# Altium PCB GE21_M1_pku_f100.PcbDoc (part 15 of 19)
Units mm, origin at the board's own origin, x right, y up, seen from the top; angles counter-clockwise.
Board outline 423.9 x 668.59 mm, 8 copper layers (Top Layer, Signal 1, DGNG1, POWER, AGND, DGND2, Signal 2, Bottom Layer), stack 1.03 mm thick; 171 components, 336 nets, 2040 pads, 4872 vias.
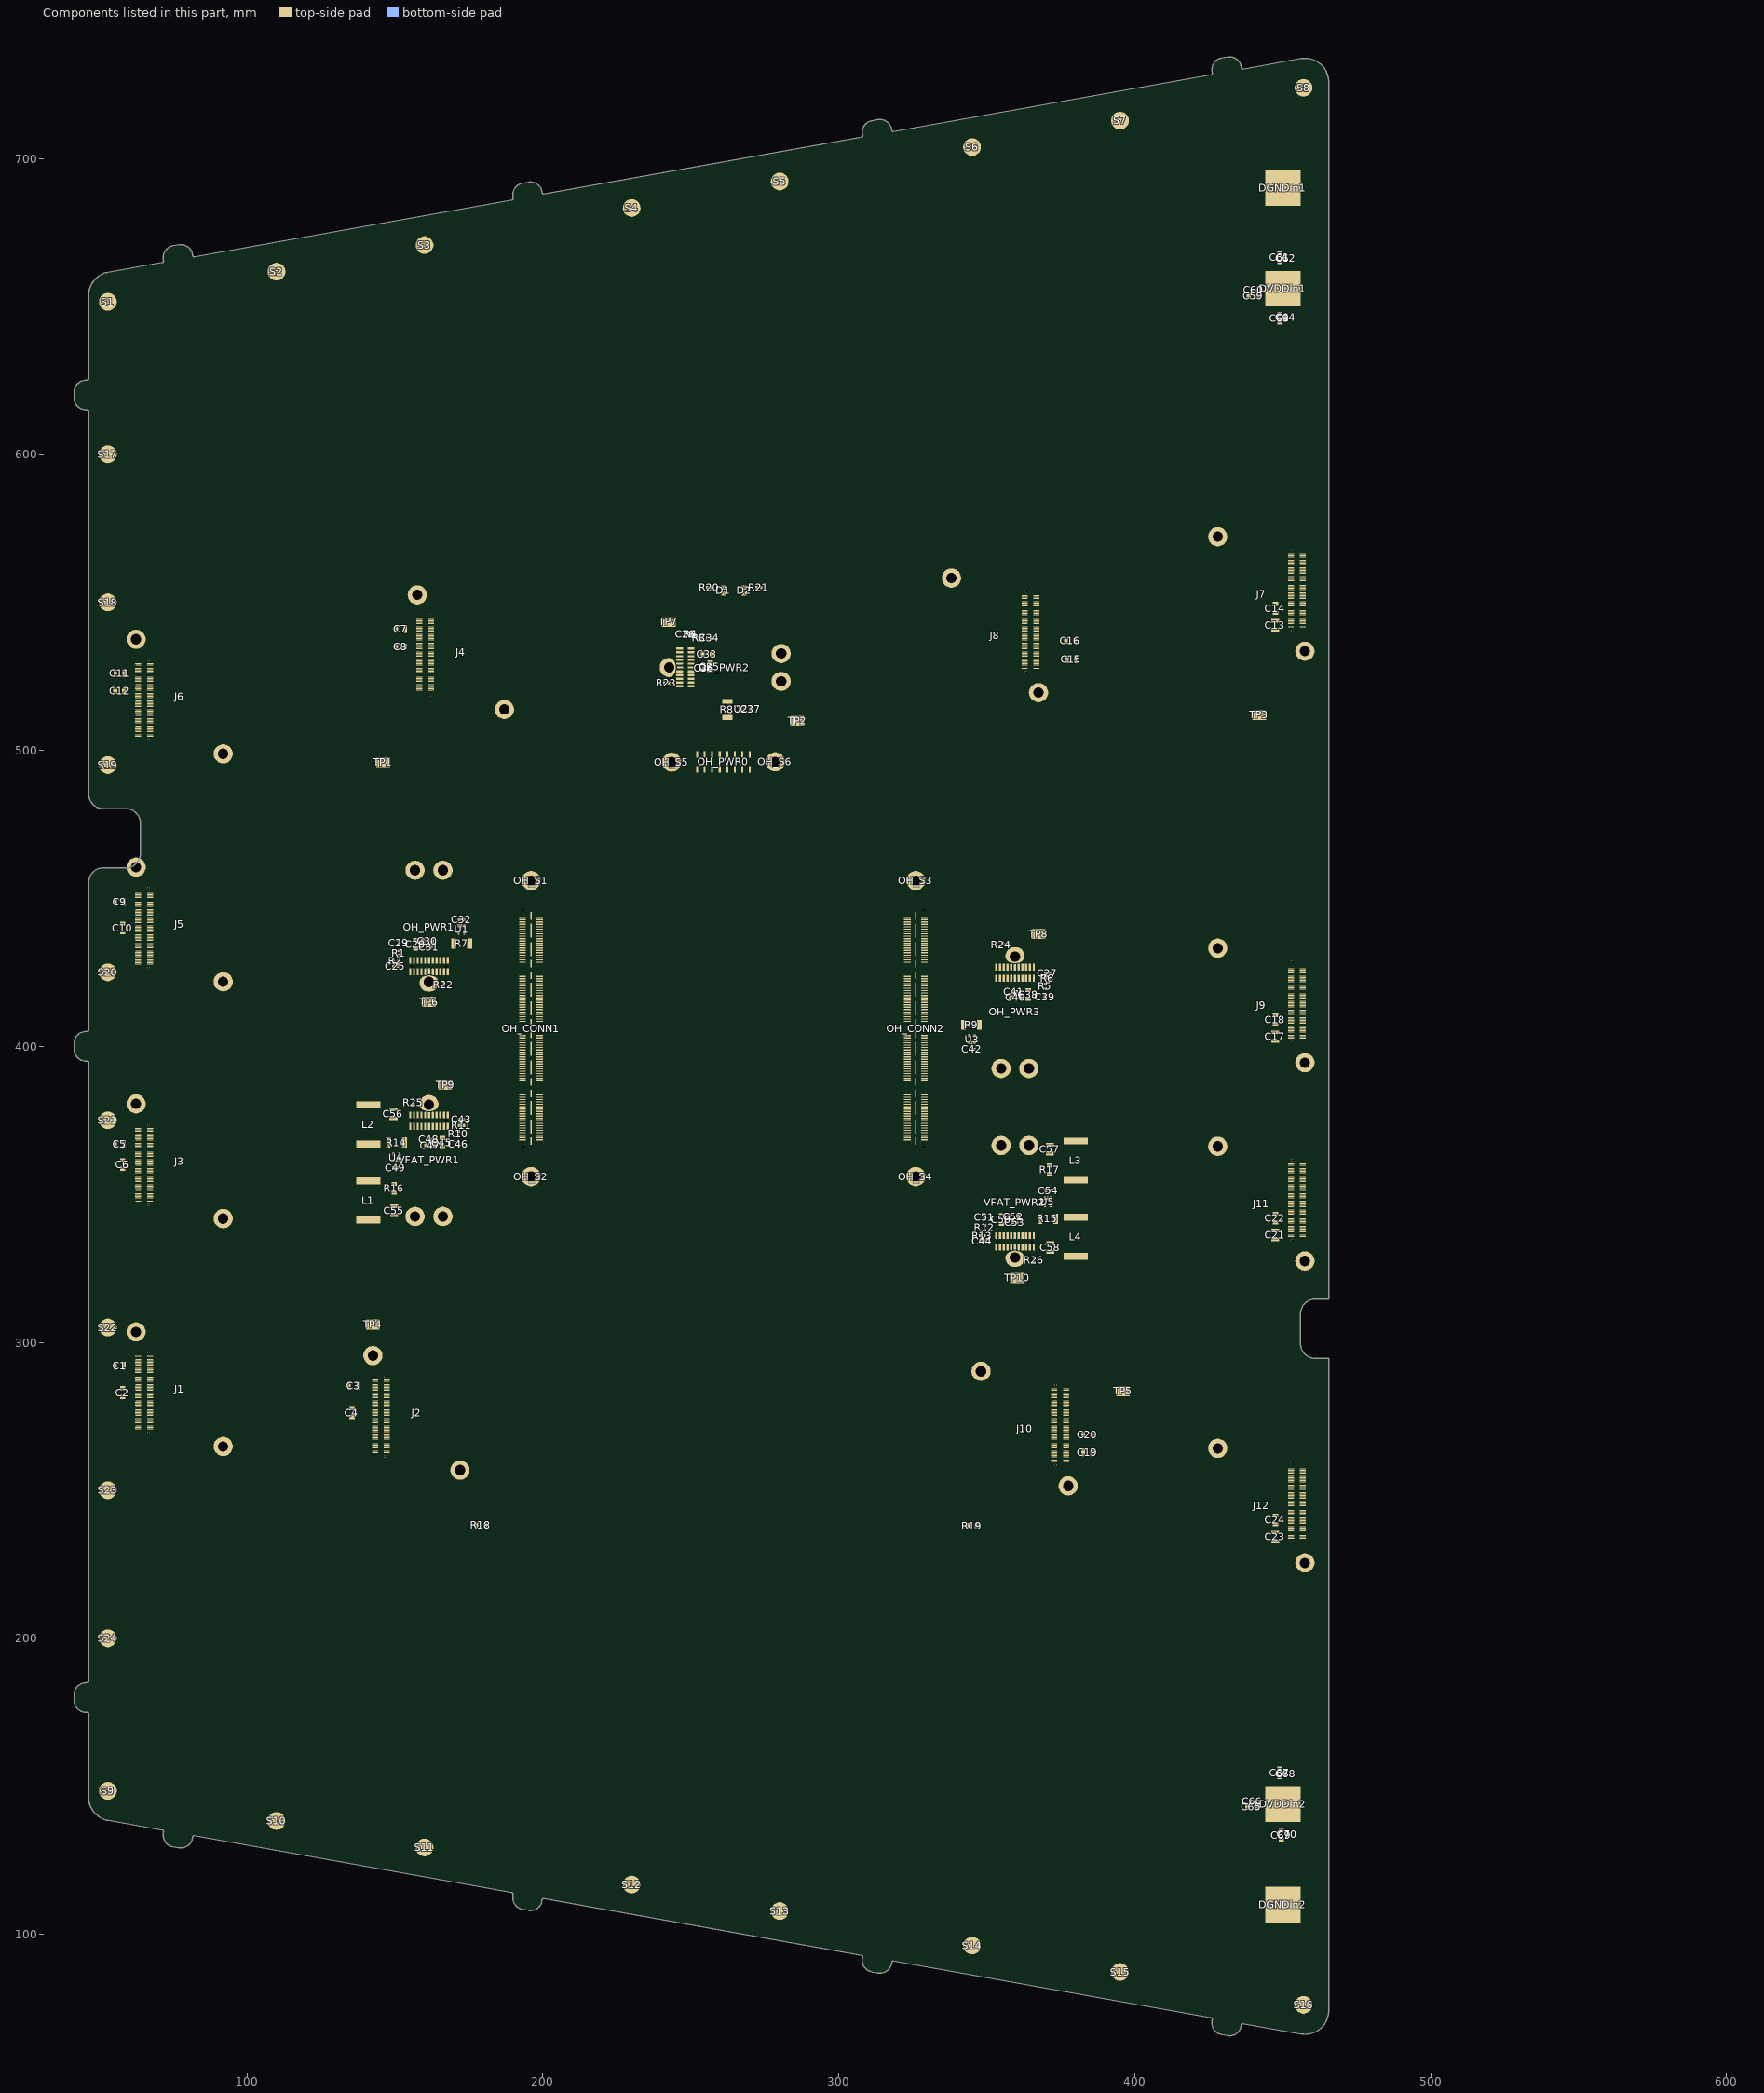
[diagram p21: the components of this part, seen from the top]

## Via types
v1: diameter 0.508, hole 0.203, Top Layer to Bottom Layer, tented both sides, 1688 vias
v2: diameter 0.402/0.402/0.402/0.201 (per signal layer), hole 0.201, Top Layer to Bottom Layer, tented both sides, 1040 vias
v3: diameter 0.507, hole 0.202, Top Layer to Bottom Layer, tented both sides, 780 vias
v4: diameter 0.4, hole 0, Top Layer to Bottom Layer, tented both sides, 438 vias
v5: diameter 0.4, hole 0.2, Top Layer to Bottom Layer, tented both sides, 288 vias
v6: diameter 0.51, hole 0.204, Top Layer to Bottom Layer, tented both sides, 288 vias
v7: diameter 0.6/0.4/0.4/0.4 (per signal layer), hole 0.3, Top Layer to Bottom Layer, tented both sides, 254 vias
v8: diameter 0.402, hole 0.201, Top Layer to Bottom Layer, tented both sides, 96 vias

## Nets (pads, with @x,y where several pads share a name; then routed paths per layer and width w, separated by ;. In a path a pad name is that pad's centre, name@x,y a point inside that pad or via, vN(x,y) a via of type N, cw(c..) or ccw(c..) an arc to the next point about the centre after c; other vN are vias at no path point) (continued)
copper on no net: (continued)
  Top Layer w0.025: 252.973,165.422 254.827,165.422 ; 252.973,169.892 253.963,169.892 ; 252.973,174.845 255.182,174.845 ; 252.998,154.373 253.481,154.373 ; 252.998,154.398 253.455,154.398 ; 252.998,154.424 253.455,154.424 ; 252.998,156.811 253.455,156.811 ; 252.998,160.012 254.624,160.012 ; 252.998,162.856 254.827,162.856 ; 252.998,168.876 253.455,168.876 ; 253.023,154.297 253.557,154.297 ; 253.023,154.322 253.506,154.322 ; 253.023,154.347 253.481,154.347 ; 253.023,154.449 253.43,154.449 ; 253.023,154.474 253.43,154.474 ; 253.023,154.5 253.43,154.5 ; 253.023,154.525 253.43,154.525 ; 253.023,155.821 254.014,155.821 ; 253.023,159.961 254.649,159.961 ; 253.023,159.986 254.624,159.986 ; 253.023,162.831 254.852,162.831 ; 253.023,165.396 254.827,165.396 ; 253.023,169.867 254.014,169.867 ; 253.049,152.315 254.827,152.315 ; 253.049,154.246 254.446,154.246 ; 253.049,154.271 253.608,154.271 ; 253.049,154.551 253.455,154.551 ; 253.049,154.576 253.455,154.576 ; 253.049,156.837 253.506,156.837 ; 253.049,159.935 254.674,159.935 ; 253.049,162.806 254.852,162.806 ; 253.049,165.371 254.852,165.371 ; 253.049,168.851 253.506,168.851 ; 253.049,173.372 254.827,173.372 ; 253.074,150.868 255.233,150.868 ; 253.074,154.22 254.471,154.22 ; 253.074,154.601 253.455,154.601 ; 253.074,154.627 253.455,154.627 ; 253.074,159.91 254.674,159.91 ; 253.074,162.78 254.878,162.78 ; 253.074,174.82 255.233,174.82 ; 253.1,154.195 254.497,154.195 ; 253.1,154.652 253.481,154.652 ; 253.1,154.678 253.481,154.678 ; 253.1,155.846 254.065,155.846 ; 253.1,156.862 253.557,156.862 ; 253.1,159.885 254.7,159.885 ; 253.1,162.755 254.903,162.755 ; 253.1,165.346 254.878,165.346 ; 253.1,168.825 253.557,168.825 ; 253.1,169.841 254.039,169.841 ; 253.125,152.341 254.903,152.341 ; 253.125,154.17 254.547,154.17 ; 253.125,154.703 253.506,154.703 ; 253.125,159.859 254.725,159.859 ; 253.125,162.729 254.928,162.729 ; 253.125,165.32 254.903,165.32 ; 253.125,173.347 254.903,173.347 ; 253.15,154.144 254.573,154.144 ; 253.15,154.728 253.531,154.728 ; 253.15,155.871 254.116,155.871 ; 253.15,156.887 253.582,156.887 ; 253.15,159.834 254.751,159.834 ; 253.15,162.704 254.928,162.704 ; 253.15,168.8 253.582,168.8 ; 253.15,169.816 254.09,169.816 ; 253.176,150.893 255.309,150.893 ; 253.176,154.119 254.598,154.119 ; 253.176,154.754 253.557,154.754 ; 253.176,159.783 254.776,159.783 ; 253.176,159.808 254.751,159.808 ; 253.176,162.679 254.954,162.679 ; 253.176,165.295 254.928,165.295 ; 253.176,174.794 255.309,174.794 ; 253.201,154.779 253.608,154.779 ; 253.201,156.913 253.633,156.913 ; 253.201,159.758 254.801,159.758 ; 253.201,162.653 254.954,162.653 ; 253.201,165.269 254.954,165.269 ; 253.201,168.775 253.633,168.775 ; 253.201,169.791 254.141,169.791 ; 253.227,152.366 254.954,152.366 ; 253.227,154.093 254.624,154.093 ; 253.227,154.805 254.319,154.805 ; 253.227,155.897 254.141,155.897 ; 253.227,159.732 254.801,159.732 ; 253.227,162.628 254.979,162.628 ; 253.227,168.749 253.684,168.749 ; 253.227,173.321 254.954,173.321 ; 253.252,153.535 253.735,153.535 ; 253.252,153.56 253.735,153.56 ; 253.252,153.585 253.735,153.585 ; 253.252,153.611 253.735,153.611 ; 253.252,153.636 253.735,153.636 ; 253.252,154.068 254.649,154.068 ; 253.252,154.83 254.319,154.83 ; 253.252,156.938 253.684,156.938 ; 253.252,159.707 254.827,159.707 ; 253.252,162.602 255.005,162.602 ; 253.252,165.244 254.954,165.244 ; 253.277,150.918 255.36,150.918 ; 253.277,153.458 253.836,153.458 ; 253.277,153.484 253.811,153.484 ; 253.277,153.509 253.76,153.509 ; 253.277,153.662 253.735,153.662 ; 253.277,153.687 253.735,153.687 ; 253.277,154.043 254.649,154.043 ; 253.277,154.855 254.293,154.855 ; 253.277,155.922 254.192,155.922 ; 253.277,159.656 254.852,159.656 ; 253.277,159.681 254.852,159.681 ; 253.277,162.577 255.005,162.577 ; 253.277,165.219 254.979,165.219 ; 253.277,169.765 254.192,169.765 ; 253.277,174.769 255.36,174.769 ; 253.303,152.392 255.005,152.392 ; 253.303,153.408 253.887,153.408 ; 253.303,153.433 253.862,153.433 ; 253.303,153.712 253.735,153.712 ; 253.303,154.017 253.862,154.017 ; 253.303,156.964 253.709,156.964 ; 253.303,159.631 254.878,159.631 ; 253.303,162.552 255.03,162.552 ; 253.303,168.724 253.709,168.724 ; 253.303,173.296 255.005,173.296 ; 253.328,153.357 253.963,153.357 ; 253.328,153.382 253.938,153.382 ; 253.328,153.738 253.735,153.738 ; 253.328,153.992 253.811,153.992 ; 253.328,154.881 254.268,154.881 ; 253.328,155.948 254.243,155.948 ; 253.328,156.989 253.76,156.989 ; 253.328,159.605 254.878,159.605 ; 253.328,162.526 255.055,162.526 ; 253.328,165.193 255.005,165.193 ; 253.328,168.698 253.76,168.698 ; 253.328,169.74 254.243,169.74 ; 253.328,170.832 254.141,170.832 ; 253.328,170.857 254.166,170.857 ; 253.354,153.306 254.547,153.306 ; 253.354,153.331 254.573,153.331 ; 253.354,153.763 253.735,153.763 ; 253.354,153.966 253.785,153.966 ; 253.354,154.906 254.243,154.906 ; 253.354,159.58 254.903,159.58 ; 253.354,162.501 255.055,162.501 ; 253.354,165.168 255.005,165.168 ; 253.354,170.807 254.116,170.807 ; 253.354,170.883 254.192,170.883 ; 253.354,170.908 254.217,170.908 ; 253.354,170.934 254.243,170.934 ; 253.354,170.959 254.268,170.959 ; 253.354,170.984 254.293,170.984 ; 253.354,171.01 254.319,171.01 ; 253.354,171.035 254.344,171.035 ; 253.354,171.061 254.37,171.061 ; 253.354,171.086 254.395,171.086 ; 253.354,171.111 254.42,171.111 ; 253.354,171.137 253.76,171.137 ; 253.354,171.162 253.735,171.162 ; 253.379,150.944 255.411,150.944 ; 253.379,152.417 255.055,152.417 ; 253.379,153.281 254.522,153.281 ; 253.379,153.789 253.735,153.789 ; 253.379,153.814 253.735,153.814 ; 253.379,153.941 253.76,153.941 ; 253.379,154.932 254.243,154.932 ; 253.379,155.973 254.268,155.973 ; 253.379,157.014 253.811,157.014 ; 253.379,159.554 254.903,159.554 ; 253.379,162.475 255.081,162.475 ; 253.379,165.142 255.03,165.142 ; 253.379,168.673 253.811,168.673 ; 253.379,169.714 254.268,169.714 ; 253.379,170.781 254.09,170.781 ; 253.379,171.188 253.735,171.188 ; 253.379,171.213 253.735,171.213 ; 253.379,171.238 253.735,171.238 ; 253.379,171.264 253.735,171.264 ; 253.379,171.289 253.735,171.289 ; 253.379,171.315 253.735,171.315 ; 253.379,171.34 253.735,171.34 ; 253.379,171.365 253.735,171.365 ; 253.379,171.391 253.735,171.391 ; 253.379,171.416 253.76,171.416 ; 253.379,171.442 253.76,171.442 ; 253.379,171.467 253.785,171.467 ; 253.379,173.27 255.055,173.27 ; 253.379,174.744 255.411,174.744 ; 253.404,153.23 254.446,153.23 ; 253.404,153.255 254.471,153.255 ; 253.404,153.839 253.735,153.839 ; 253.404,153.865 253.735,153.865 ; 253.404,153.89 253.735,153.89 ; 253.404,153.916 253.76,153.916 ; 253.404,159.529 254.903,159.529 ; 253.404,162.45 255.081,162.45 ; 253.404,171.492 253.785,171.492 ; 253.404,171.518 253.785,171.518 ; 253.404,171.543 253.811,171.543 ; 253.404,171.569 253.811,171.569 ; 253.404,171.594 253.811,171.594 ; 253.404,171.619 253.811,171.619 ; 253.404,171.645 253.836,171.645 ; 253.404,171.67 253.836,171.67 ; 253.404,171.696 253.836,171.696 ; 253.404,171.721 253.836,171.721 ; 253.404,171.746 253.836,171.746 ; 253.404,171.772 253.836,171.772 ; 253.43,153.204 254.344,153.204 ; 253.43,154.957 254.217,154.957 ; 253.43,155.998 254.319,155.998 ; 253.43,157.04 253.836,157.04 ; 253.43,159.478 254.903,159.478 ; 253.43,159.504 254.903,159.504 ; 253.43,162.425 255.106,162.425 ; 253.43,165.117 255.055,165.117 ; 253.43,168.648 253.836,168.648 ; 253.43,169.689 254.319,169.689 ; 253.43,170.756 254.065,170.756 ; 253.43,171.797 253.836,171.797 ; 253.43,171.823 253.836,171.823 ; 253.43,171.848 253.836,171.848 ; 253.43,171.873 253.862,171.873 ; 253.43,171.899 253.862,171.899 ; 253.43,171.924 253.862,171.924 ; 253.43,171.95 253.862,171.95 ; 253.43,171.975 253.862,171.975 ; 253.43,172 253.862,172 ; 253.43,172.026 253.862,172.026 ; 253.43,172.051 253.862,172.051 ; 253.43,172.077 253.862,172.077 ; 253.455,150.969 255.462,150.969 ; 253.455,152.442 255.106,152.442 ; 253.455,153.179 254.268,153.179 ; 253.455,159.453 254.903,159.453 ; 253.455,162.399 255.132,162.399 ; 253.455,165.092 255.055,165.092 ; 253.455,170.73 254.039,170.73 ; 253.455,172.102 253.862,172.102 ; 253.455,172.127 253.862,172.127 ; 253.455,172.153 253.862,172.153 ; 253.455,172.178 253.862,172.178 ; 253.455,172.204 253.862,172.204 ; 253.455,172.229 253.862,172.229 ; 253.455,172.254 253.887,172.254 ; 253.455,172.28 253.887,172.28 ; 253.455,172.305 253.887,172.305 ; 253.455,172.331 253.887,172.331 ; 253.455,172.356 253.887,172.356 ; 253.455,172.381 253.887,172.381 ; 253.455,173.245 255.106,173.245 ; 253.455,174.718 255.462,174.718 ; 253.481,153.154 254.217,153.154 ; 253.481,156.024 254.37,156.024 ; 253.481,157.065 253.887,157.065 ; 253.481,159.427 254.903,159.427 ; 253.481,162.374 255.132,162.374 ; 253.481,165.066 255.081,165.066 ; 253.481,168.622 253.887,168.622 ; 253.481,169.664 254.37,169.664 ; 253.481,172.407 253.912,172.407 ; 253.481,172.432 253.912,172.432 ; 253.481,172.458 253.912,172.458 ; 253.481,172.483 253.912,172.483 ; 253.481,172.508 253.938,172.508 ; 253.481,172.534 253.938,172.534 ; 253.481,172.559 253.938,172.559 ; 253.481,172.585 253.912,172.585 ; 253.481,172.61 253.862,172.61 ; 253.481,172.635 253.836,172.635 ; 253.481,172.661 253.811,172.661 ; 253.506,153.128 254.192,153.128 ; 253.506,159.402 254.903,159.402 ; 253.506,162.348 255.157,162.348 ; 253.506,170.705 254.014,170.705 ; 253.506,172.686 253.76,172.686 ; 253.506,172.712 253.735,172.712 ; 253.506,172.737 253.684,172.737 ; 253.506,172.762 253.608,172.762 ; 253.531,157.091 253.938,157.091 ; 253.531,159.351 254.903,159.351 ; 253.531,159.377 254.903,159.377 ; 253.531,162.323 255.182,162.323 ; 253.531,165.041 255.081,165.041 ; 253.531,168.597 253.912,168.597 ; 253.531,170.68 253.989,170.68 ; 253.531,173.22 255.157,173.22 ; 253.557,150.995 255.538,150.995 ; 253.557,152.468 255.157,152.468 ; 253.557,154.982 254.192,154.982 ; 253.557,156.049 254.395,156.049 ; 253.557,157.116 253.963,157.116 ; 253.557,159.326 254.903,159.326 ; 253.557,162.298 255.182,162.298 ; 253.557,165.015 255.106,165.015 ; 253.557,168.571 253.963,168.571 ; 253.557,169.638 254.395,169.638 ; 253.557,174.693 255.538,174.693 ; 253.582,153.103 254.141,153.103 ; 253.582,159.3 254.878,159.3 ; 253.582,162.247 255.233,162.247 ; 253.582,162.272 255.208,162.272 ; 253.582,164.99 255.106,164.99 ; 253.608,156.075 254.446,156.075 ; 253.608,157.141 254.014,157.141 ; 253.608,159.275 254.878,159.275 ; 253.608,164.965 255.132,164.965 ; 253.608,168.546 253.989,168.546 ; 253.608,169.613 254.446,169.613 ; 253.608,170.654 253.963,170.654 ; 253.608,173.194 255.208,173.194 ; 253.633,151.02 255.589,151.02 ; 253.633,152.493 255.208,152.493 ; 253.633,156.1 254.471,156.1 ; 253.633,159.25 254.878,159.25 ; 253.633,162.196 255.259,162.196 ; 253.633,162.221 255.233,162.221 ; 253.633,169.587 254.471,169.587 ; 253.633,174.667 255.589,174.667 ; 253.658,155.008 254.141,155.008 ; 253.658,157.167 254.039,157.167 ; 253.658,159.199 254.852,159.199 ; 253.658,159.224 254.852,159.224 ; 253.658,162.171 255.284,162.171 ; 253.658,164.939 255.132,164.939 ; 253.658,168.521 254.039,168.521 ; 253.658,170.629 253.938,170.629 ; 253.684,156.125 254.522,156.125 ; 253.684,157.192 254.065,157.192 ; 253.684,159.173 254.852,159.173 ; 253.684,162.145 255.284,162.145 ; 253.684,164.914 255.157,164.914 ; 253.684,168.495 254.065,168.495 ; 253.684,169.562 254.522,169.562 ; 253.684,173.169 255.259,173.169 ; 253.709,152.519 255.259,152.519 ; 253.709,159.148 254.827,159.148 ; 253.709,162.12 255.309,162.12 ; 253.709,164.888 255.157,164.888 ; 253.735,151.045 255.64,151.045 ; 253.735,156.151 254.573,156.151 ; 253.735,157.218 254.116,157.218 ; 253.735,159.123 254.801,159.123 ; 253.735,162.094 255.335,162.094 ; 253.735,168.47 254.116,168.47 ; 253.735,169.537 254.547,169.537 ; 253.735,174.642 255.64,174.642 ; 253.76,152.544 255.309,152.544 ; 253.76,157.243 254.141,157.243 ; 253.76,159.097 254.801,159.097 ; 253.76,162.069 255.335,162.069 ; 253.76,164.863 255.182,164.863 ; 253.76,168.444 254.141,168.444 ; 253.76,170.603 253.912,170.603 ; 253.76,173.143 255.309,173.143 ; 253.785,154.779 254.344,154.779 ; 253.785,155.033 254.09,155.033 ; 253.785,156.176 254.598,156.176 ; 253.785,159.072 254.776,159.072 ; 253.785,162.044 255.36,162.044 ; 253.785,164.838 255.182,164.838 ; 253.785,169.511 254.598,169.511 ; 253.811,151.071 255.69,151.071 ; 253.811,157.268 254.192,157.268 ; 253.811,159.021 254.725,159.021 ; 253.811,159.046 254.751,159.046 ; 253.811,162.018 255.386,162.018 ; 253.811,164.812 255.182,164.812 ; 253.811,168.419 254.166,168.419 ; 253.811,174.617 255.69,174.617 ; 253.836,152.569 255.36,152.569 ; 253.836,154.271 254.395,154.271 ; 253.836,154.754 254.344,154.754 ; 253.836,156.202 254.649,156.202 ; 253.836,157.294 254.217,157.294 ; 253.836,158.996 254.7,158.996 ; 253.836,161.967 255.411,161.967 ; 253.836,161.993 255.386,161.993 ; 253.836,164.787 255.208,164.787 ; 253.836,168.394 254.217,168.394 ; 253.836,169.486 254.624,169.486 ; 253.836,171.137 254.446,171.137 ; 253.836,173.118 255.36,173.118 ; 253.862,154.297 254.319,154.297 ; 253.862,154.728 254.37,154.728 ; 253.862,156.227 254.674,156.227 ; 253.862,158.97 254.674,158.97 ; 253.862,161.942 255.436,161.942 ; 253.862,169.46 254.674,169.46 ; 253.887,151.096 255.741,151.096 ; 253.887,154.322 254.268,154.322 ; 253.887,154.703 254.37,154.703 ; 253.887,157.319 254.243,157.319 ; 253.887,158.945 254.624,158.945 ; 253.887,161.917 255.436,161.917 ; 253.887,164.761 255.208,164.761 ; 253.887,168.368 254.243,168.368 ; 253.887,171.162 254.471,171.162 ; 253.887,174.591 255.741,174.591 ; 253.912,152.595 255.411,152.595 ; 253.912,154.347 254.268,154.347 ; 253.912,154.678 254.37,154.678 ; 253.912,156.252 254.725,156.252 ; 253.912,157.345 254.293,157.345 ; 253.912,158.919 254.598,158.919 ; 253.912,161.891 255.462,161.891 ; 253.912,164.736 255.208,164.736 ; 253.912,168.343 254.268,168.343 ; 253.912,169.435 254.7,169.435 ; 253.912,173.093 255.411,173.093 ; 253.938,154.373 254.243,154.373 ; 253.938,154.627 254.37,154.627 ; 253.938,154.652 254.37,154.652 ; 253.938,158.894 254.522,158.894 ; 253.938,161.866 255.462,161.866 ; 253.938,164.711 255.233,164.711 ; 253.963,151.122 255.792,151.122 ; 253.963,152.62 255.462,152.62 ; 253.963,154.398 254.268,154.398 ; 253.963,154.576 254.37,154.576 ; 253.963,154.601 254.37,154.601 ; 253.963,156.278 254.751,156.278 ; 253.963,157.37 254.319,157.37 ; 253.963,161.84 255.487,161.84 ; 253.963,168.317 254.319,168.317 ; 253.963,169.41 254.751,169.41 ; 253.963,171.188 254.497,171.188 ; 253.963,173.067 255.462,173.067 ; 253.963,174.566 255.792,174.566 ; 253.989,154.424 254.268,154.424 ; 253.989,154.449 254.293,154.449 ; 253.989,154.551 254.344,154.551 ; 253.989,157.395 254.344,157.395 ; 253.989,161.815 255.487,161.815 ; 253.989,164.685 255.233,164.685 ; 253.989,168.292 254.344,168.292 ; 253.989,171.213 254.522,171.213 ; 254.014,154.474 254.293,154.474 ; 254.014,154.5 254.319,154.5 ; 254.014,154.525 254.344,154.525 ; 254.014,156.303 254.776,156.303 ; 254.014,161.764 255.513,161.764 ; 254.014,161.79 255.513,161.79 ; 254.014,164.66 255.233,164.66 ; 254.014,169.384 254.776,169.384 ; 254.014,171.238 254.547,171.238 ; 254.039,151.147 255.843,151.147 ; 254.039,152.646 255.513,152.646 ; 254.039,156.329 254.827,156.329 ; 254.039,157.421 254.395,157.421 ; 254.039,161.739 255.513,161.739 ; 254.039,164.634 255.233,164.634 ; 254.039,168.267 254.395,168.267 ; 254.039,169.359 254.827,169.359 ; 254.039,171.264 254.573,171.264 ; 254.039,173.042 255.513,173.042 ; 254.039,174.54 255.843,174.54 ; 254.065,157.446 254.42,157.446 ; 254.065,161.713 255.538,161.713 ; 254.065,168.241 254.42,168.241 ; 254.065,171.289 254.598,171.289 ; 254.09,154.017 254.674,154.017 ; 254.09,156.354 254.852,156.354 ; 254.09,157.472 254.446,157.472 ; 254.09,161.688 255.538,161.688 ; 254.09,164.609 255.208,164.609 ; 254.09,168.216 254.446,168.216 ; 254.09,169.333 254.852,169.333 ; 254.09,171.315 254.624,171.315 ; 254.116,151.172 255.894,151.172 ; 254.116,152.671 255.563,152.671 ; 254.116,161.663 255.538,161.663 ; 254.116,164.584 255.208,164.584 ; 254.116,171.34 254.649,171.34 ; 254.116,173.016 255.563,173.016 ; 254.116,174.515 255.894,174.515 ; 254.141,153.357 254.598,153.357 ; 254.141,153.992 254.7,153.992 ; 254.141,156.379 254.878,156.379 ; 254.141,157.497 254.471,157.497 ; 254.141,161.637 255.563,161.637 ; 254.141,164.558 255.208,164.558 ; 254.141,168.19 254.471,168.19 ; 254.141,169.308 254.878,169.308 ; 254.141,171.365 254.674,171.365 ; 254.166,152.696 255.614,152.696 ; 254.166,153.382 254.624,153.382 ; 254.166,153.966 254.7,153.966 ; 254.166,156.405 254.928,156.405 ; 254.166,157.522 254.522,157.522 ; 254.166,161.612 255.563,161.612 ; 254.166,168.165 254.522,168.165 ; 254.166,169.283 254.928,169.283 ; 254.166,171.391 254.7,171.391 ; 254.166,171.416 254.725,171.416 ; 254.166,172.991 255.614,172.991 ; 254.192,151.198 255.944,151.198 ; 254.192,153.408 254.624,153.408 ; 254.192,153.941 254.725,153.941 ; 254.192,161.561 255.563,161.561 ; 254.192,161.586 255.563,161.586 ; 254.192,164.533 255.208,164.533 ; 254.192,168.14 254.547,168.14 ; 254.192,171.442 254.776,171.442 ; 254.192,174.49 255.944,174.49 ; 254.217,153.433 254.649,153.433 ; 254.217,153.916 254.725,153.916 ; 254.217,156.43 254.954,156.43 ; 254.217,157.548 254.547,157.548 ; 254.217,161.536 255.563,161.536 ; 254.217,164.507 255.208,164.507 ; 254.217,169.257 254.954,169.257 ; 254.217,171.467 254.801,171.467 ; 254.243,152.722 255.665,152.722 ; 254.243,153.458 254.674,153.458 ; 254.243,153.484 254.674,153.484 ; 254.243,153.89 254.751,153.89 ; 254.243,157.573 254.573,157.573 ; 254.243,158.869 254.395,158.869 ; 254.243,161.51 255.563,161.51 ; 254.243,168.114 254.573,168.114 ; 254.243,171.492 254.827,171.492 ; 254.243,172.966 255.64,172.966 ; 254.268,151.223 255.995,151.223 ; 254.268,153.509 254.7,153.509 ; 254.268,153.535 254.7,153.535 ; 254.268,153.56 254.725,153.56 ; 254.268,153.585 254.725,153.585 ; 254.268,153.839 254.751,153.839 ; 254.268,153.865 254.751,153.865 ; 254.268,156.456 255.005,156.456 ; 254.268,157.599 254.598,157.599 ; 254.268,161.485 255.589,161.485 ; 254.268,164.482 255.182,164.482 ; 254.268,168.089 254.598,168.089 ; 254.268,169.232 255.005,169.232 ; 254.268,171.518 254.852,171.518 ; 254.268,174.464 255.995,174.464 ; 254.293,152.747 255.69,152.747 ; 254.293,153.611 254.725,153.611 ; 254.293,153.636 254.725,153.636 ; 254.293,153.662 254.751,153.662 ; 254.293,153.687 254.751,153.687 ; 254.293,153.712 254.751,153.712 ; 254.293,153.738 254.751,153.738 ; 254.293,153.763 254.751,153.763 ; 254.293,153.789 254.751,153.789 ; 254.293,153.814 254.751,153.814 ; 254.293,156.481 255.03,156.481 ; 254.293,157.624 254.649,157.624 ; 254.293,161.459 255.589,161.459 ; 254.293,164.457 255.182,164.457 ; 254.293,168.063 254.649,168.063 ; 254.293,169.206 255.03,169.206 ; 254.293,171.543 254.852,171.543 ; 254.293,171.569 254.878,171.569 ; 254.293,172.94 255.69,172.94 ; 254.319,161.434 255.589,161.434 ; 254.319,164.431 255.182,164.431 ; 254.319,168.038 254.674,168.038 ; 254.319,171.594 254.928,171.594 ; 254.344,151.249 256.071,151.249 ; 254.344,156.506 255.055,156.506 ; 254.344,157.649 254.674,157.649 ; 254.344,161.409 255.589,161.409 ; 254.344,169.181 255.055,169.181 ; 254.344,171.619 254.954,171.619 ; 254.344,174.439 256.071,174.439 ; 254.37,152.773 255.741,152.773 ; 254.37,156.532 255.081,156.532 ; 254.37,157.675 254.7,157.675 ; 254.37,161.383 255.589,161.383 ; 254.37,164.406 255.182,164.406 ; 254.37,168.013 254.7,168.013 ; 254.37,169.156 255.081,169.156 ; 254.37,171.645 254.979,171.645 ; 254.37,172.915 255.741,172.915 ; 254.395,157.7 254.725,157.7 ; 254.395,161.358 255.589,161.358 ; 254.395,167.987 254.725,167.987 ; 254.395,171.67 255.005,171.67 ; 254.395,171.696 255.03,171.696 ; 254.42,151.274 256.097,151.274 ; 254.42,152.798 255.792,152.798 ; 254.42,156.557 255.132,156.557 ; 254.42,157.726 254.751,157.726 ; 254.42,161.332 255.589,161.332 ; 254.42,164.38 255.157,164.38 ; 254.42,167.962 254.751,167.962 ; 254.42,169.13 255.132,169.13 ; 254.42,171.721 255.055,171.721 ; 254.42,172.889 255.792,172.889 ; 254.42,174.413 256.097,174.413 ; 254.446,156.583 255.157,156.583 ; 254.446,157.751 254.776,157.751 ; 254.446,161.307 